# Altium PCB 2-quilter-output.PcbDoc (part 18 of 26) (continued)
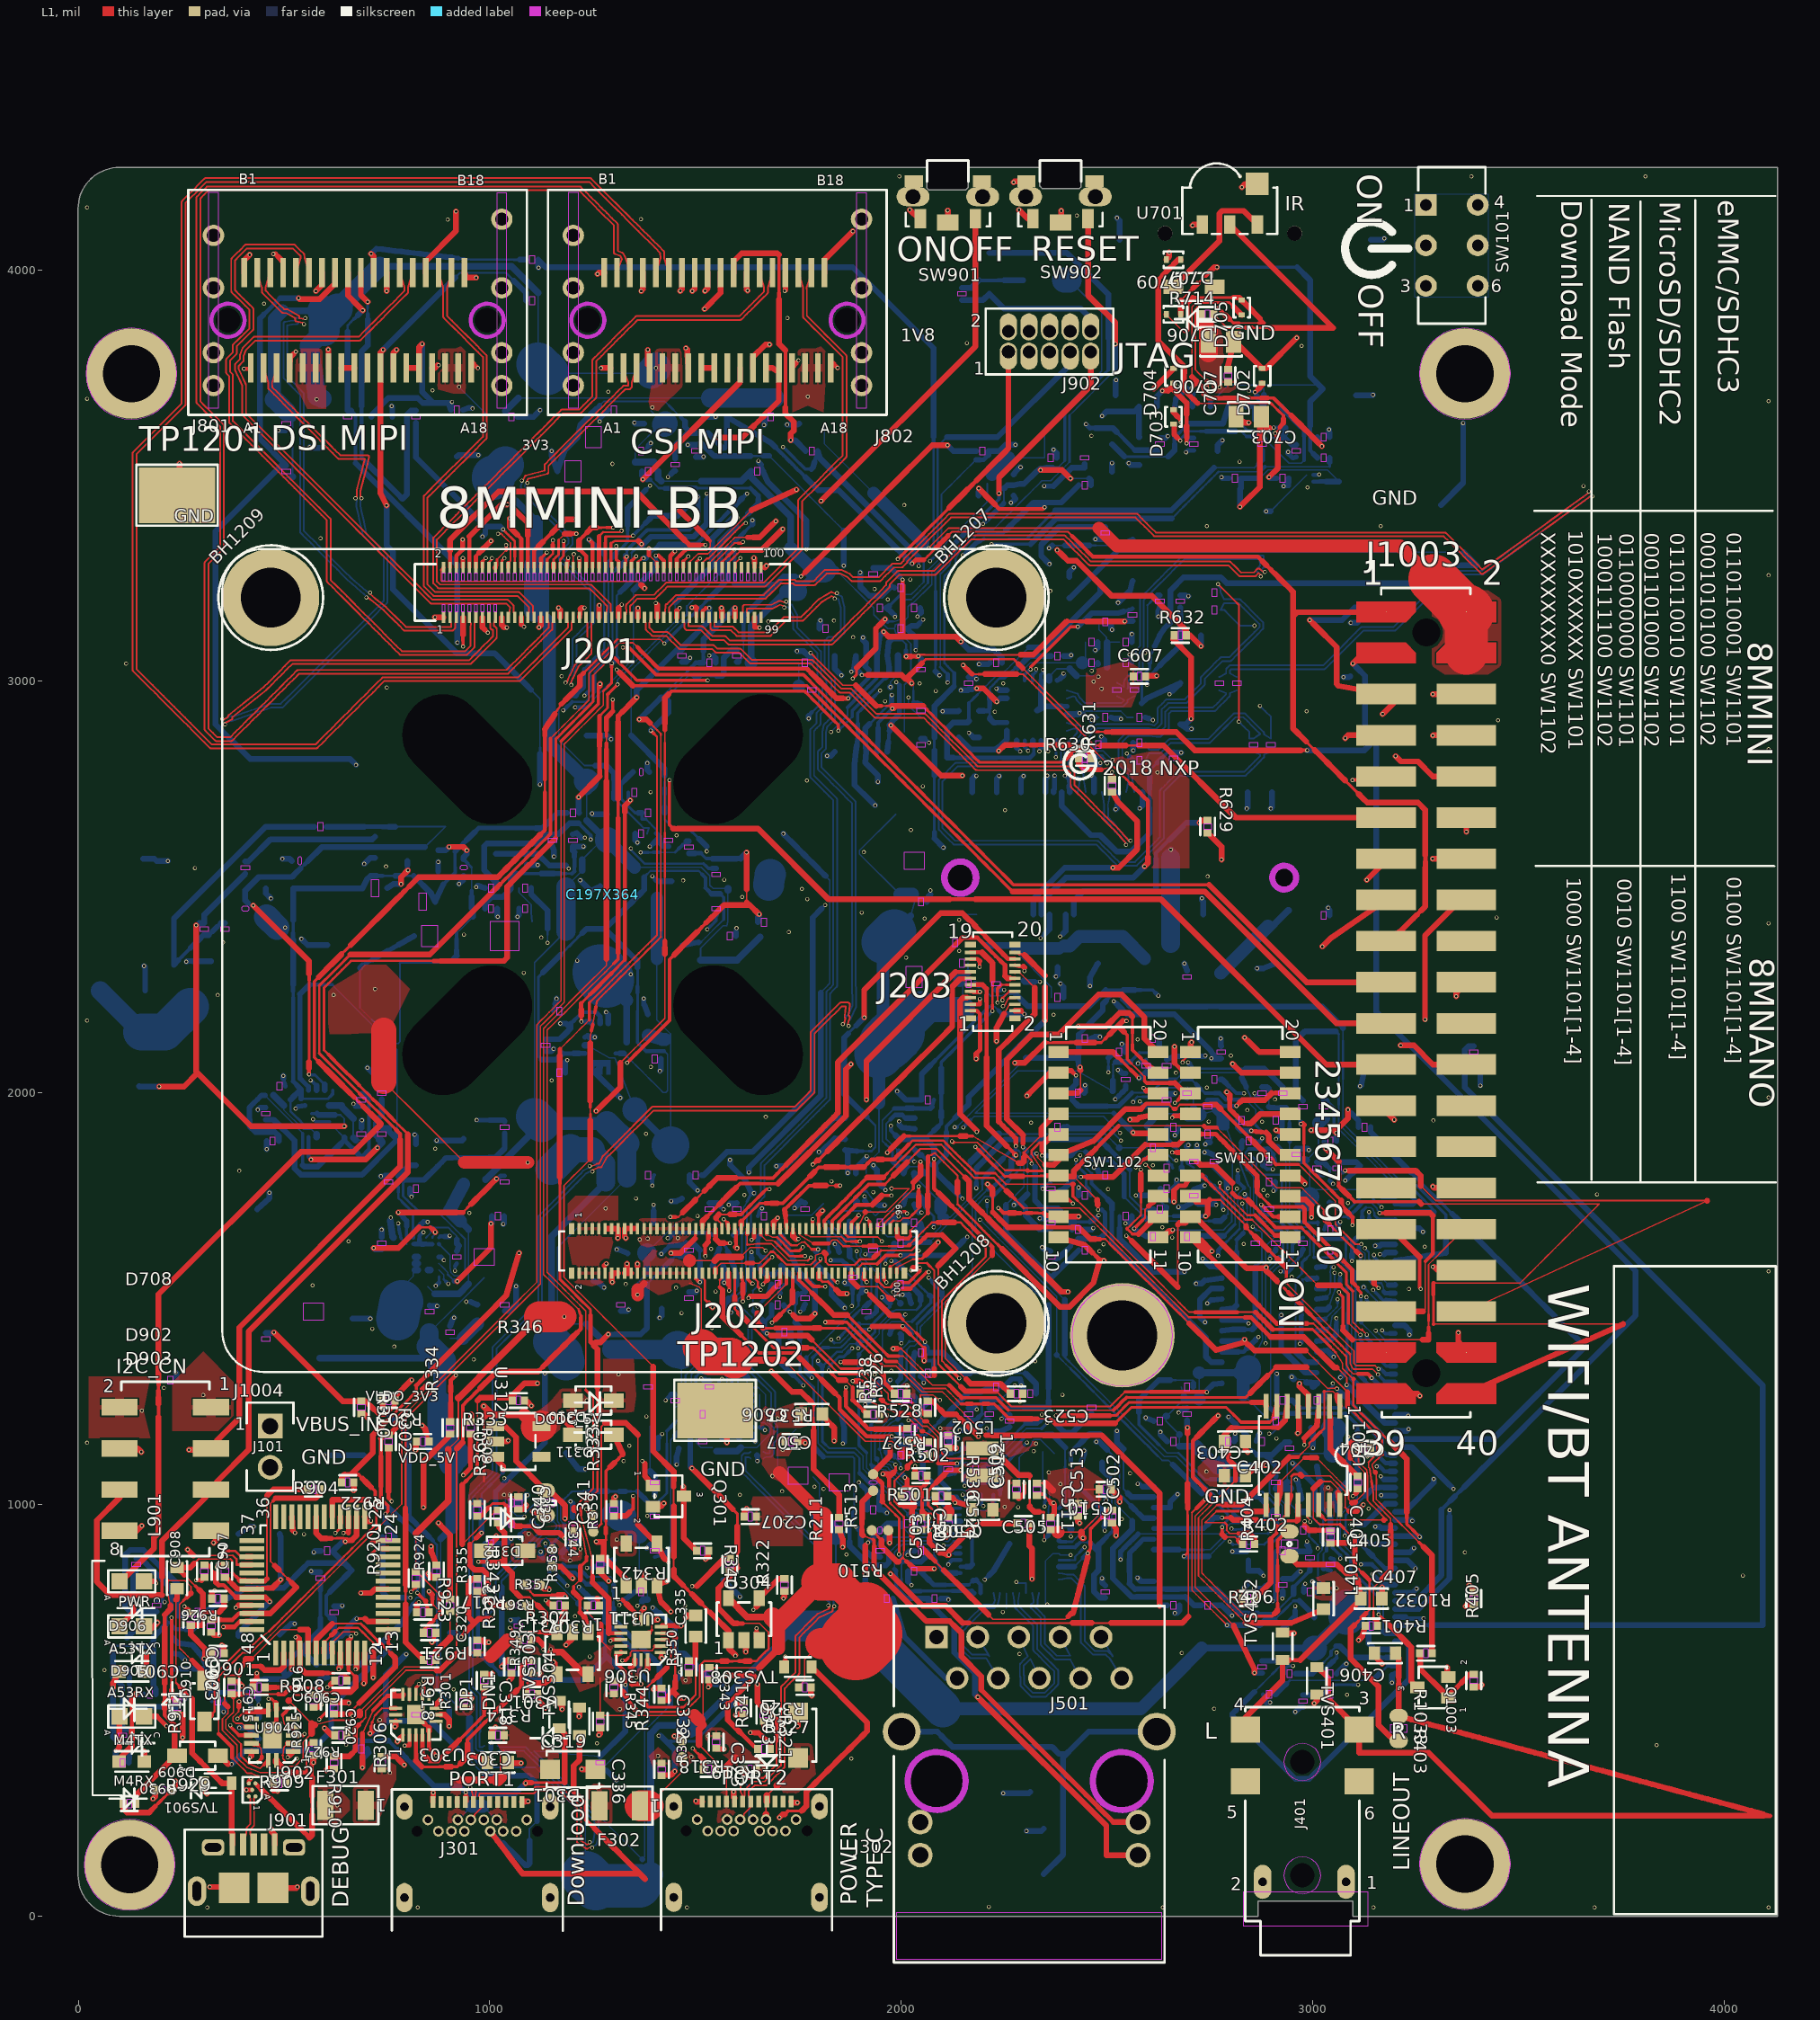
[diagram p0: L1 view]
## Nets (pads, with @x,y where several pads share a name; then routed paths per layer and width w, separated by ;. In a path a pad name is that pad's centre, name@x,y a point inside that pad or via, vN(x,y) a via of type N, cw(c..) or ccw(c..) an arc to the next point about the centre after c; other vN are vias at no path point) (continued)
SAI1_MCLK: J202.98 J1001.4 | length 1494.1
  L1 w3.5: 1973.72,1576.89 1986.02,1584.27 1998.32,1591.65 2010.61,1599.03 2022.91,1606.41
  L1 w5.87: 2022.91,1606.41 2032.21,1606.41 v1(2042.55,1616.75)
  L1 w8.94: J202.98@1973.71,1561.94 1973.72,1576.89
  L3 w3.5: 2342.88,1642.32 2357.82,1642.32 2372.77,1642.32 2387.71,1642.32 2402.66,1642.32 2417.6,1642.32 2432.55,1642.32 2447.49,1642.32 2462.44,1642.32 2477.38,1642.32 2492.33,1642.32 2507.27,1642.32 2522.22,1642.32 2537.16,1642.32 2552.11,1642.32 ; 2765.09,1711.42 2773.1,1719.42 2781.1,1727.42 ; 2786.51,1727.42 2796.99,1716.94 2807.47,1706.47 ; 2838.9,1675.03 2849.38,1664.56
  L3 w3.83: 2552.11,1642.32 2567.05,1642.32 ; 2807.47,1706.47 2817.95,1695.99 2828.42,1685.51 ; 2849.38,1664.56 2859.86,1654.08
  L3 w4.85: v1(2042.55,1616.75) 2046.32,1612.97 2062.04,1612.97 2077.76,1612.97 2093.48,1612.97 2109.2,1612.97 2124.91,1612.97 2140.63,1612.97 2156.35,1612.97 2172.07,1612.97 2187.78,1612.97 2203.5,1612.97 2219.22,1612.97 2234.94,1612.97 2250.65,1612.97 2266.37,1612.97 2282.09,1612.97 2297.81,1612.97 2313.53,1612.97 2323.31,1622.75 ; 2333.09,1632.54 2342.88,1642.32 ; 2781.1,1727.42 2786.51,1727.42 ; 2828.42,1685.51 2838.9,1675.03
  L3 w5.87: 2323.31,1622.75 2333.09,1632.54
  L3 w7.92: 2625.87,1686.19 2641.31,1686.19 2656.76,1686.19 2672.2,1686.19 2687.65,1686.19 2703.09,1686.19 2718.54,1686.19 2733.98,1686.19 ; 2922.72,1591.21 2938.49,1591.21 2954.26,1591.21 2970.03,1591.21 2985.8,1591.21 3001.57,1591.21 3017.34,1591.21 3033.11,1591.21 3048.88,1591.21 3064.65,1591.21 3080.42,1591.21 v1(3096.19,1591.21)
  L3 w9.96: 2733.98,1686.19 2749.43,1686.19 ; 2901.77,1612.17 2912.25,1601.69 2922.72,1591.21
  L3 w10.99: 2859.86,1654.08 2870.33,1643.6 2880.81,1633.12 2891.29,1622.65 2901.77,1612.17
  L3 w13.03: 2567.05,1642.32 2582,1642.32 2592.97,1653.29 ; 2614.9,1675.22 2625.87,1686.19
  L3 w14.05: 2592.97,1653.29 2603.93,1664.26 2614.9,1675.22 ; 2749.44,1686.19 2765.09,1701.85 2765.09,1711.42
  L8 w3.83: 3130.15,1721.18 3142.37,1721.18 3147.17,1716.39 3150.85,1707.98
  L8 w5.87: 3150.85,1702.04 3150.85,1707.98
  L8 w6.9: 3150.85,1702.04 3157.07,1695.82
  L8 w7.92: v1(3096.19,1591.21) 3096.19,1599.29 ; 3120.72,1698.62 3120.72,1711.76 3130.15,1721.18 ; 3157.07,1695.82 3163.29,1689.61
  L8 w10.99: 3096.19,1607.37 3096.19,1621.02 3096.19,1634.67 ; 3120.72,1659.2 3120.72,1672.34 3120.72,1685.48
  L8 w12.01: 3120.72,1685.48 3120.72,1698.62
  L8 w13.03: 3096.19,1634.67 3104.37,1642.85 ; 3112.54,1651.03 3120.72,1659.2
  L8 w14.05: 3096.19,1599.29 3096.19,1607.37 ; 3104.37,1642.85 3112.54,1651.03 ; 3163.29,1689.61 3178.74,1689.61 J1001.4@3200.73,1690.44
SAI1_RXC: J202.76 J1001.18 | length 1571.7
  L1 w4.85: 1808.67,1540.87 1813.21,1540.87 1822.45,1540.87
  L1 w6.9: J202.76@1800.49,1549.05 1808.67,1540.87 ; 1822.45,1540.87 1832.11,1531.22 1841.76,1521.56
  L1 w14.05: J202.76@1800.49,1549.05 J202.76@1800.48,1561.94 ; 1841.76,1521.56 1851.42,1511.91 v1(1868.11,1511.91)
  L3 w3.5: 1954.69,1526.06 1969.8,1526.06 1984.92,1526.06 2000.03,1526.06 2015.14,1526.06 2030.25,1526.06 2045.36,1526.06 2060.47,1526.06 ; 3148.88,1402.34 3159.05,1412.5 v1(3169.22,1422.67)
  L3 w4.85: 2170.09,1576 2185.01,1576 ; 2274.53,1576 2289.45,1576 ; 2597.74,1557.45 2607.9,1547.29 2618.06,1537.13 2628.22,1526.97 2638.39,1516.8 2648.55,1506.64 2658.71,1496.48 2668.88,1486.31 2679.04,1476.15 2694.8,1476.15 2710.56,1476.15 2726.32,1476.15 2742.08,1476.15 2757.84,1476.15 2773.6,1476.15 2789.37,1476.15 2805.13,1476.15 2820.89,1476.15 2836.65,1476.15 2852.41,1476.15
  L3 w5.87: 1883.43,1511.8 1898.64,1511.8 ; 2070.46,1536.05 2080.45,1546.04 ; 2100.42,1566.01 2110.41,1576 2125.34,1576 2140.26,1576 2155.18,1576 2170.09,1576 ; 2185.01,1576 2199.93,1576 2214.85,1576 2229.77,1576 2244.69,1576 2259.61,1576 2274.53,1576 ; 2289.45,1576 2298.72,1566.72 2307.99,1557.45 2323.24,1557.45 2338.49,1557.45 2353.74,1557.45 2368.99,1557.45 2384.24,1557.45 2399.49,1557.45 2414.74,1557.45 2429.99,1557.45 2445.24,1557.45 2460.49,1557.45 2475.74,1557.45 2490.99,1557.45 2506.24,1557.45 2521.49,1557.45 2536.74,1557.45 2551.99,1557.45 2567.24,1557.45 2582.49,1557.45 2597.74,1557.45
  L3 w7.92: v1(1868.11,1511.91) 1868.21,1511.8 1883.43,1511.8 ; 2080.45,1546.04 2090.43,1556.02 ; 2852.41,1476.15 2868.17,1476.15
  L3 w8.94: 3035.54,1371.83 3049.34,1371.83 3063.15,1371.83 ; 3104.57,1371.83 3118.37,1371.83 3128.54,1382 3138.71,1392.17 3148.88,1402.34
  L3 w9.96: 2060.47,1526.06 2070.46,1536.05
  L3 w10.99: 1898.64,1511.8 1907.89,1502.55 1919.54,1502.55 1931.19,1502.55 1939.02,1510.39 1946.86,1518.23
  L3 w13.03: 1946.86,1518.23 1954.69,1526.06 ; 2915.45,1476.15 2931.22,1476.15
  L3 w14.05: 2090.43,1556.02 2100.42,1566.01 ; 2868.17,1476.15 2883.93,1476.15 2899.69,1476.15 2915.45,1476.15 ; 2931.22,1476.15 3035.54,1371.83 ; 3063.15,1371.83 3076.95,1371.83 3090.76,1371.83 3104.57,1371.83
  L8 w7.92: v1(3169.22,1422.67) 3177.05,1414.84 J1001.18@3188.89,1414.84
  L8 w12.01: J1001.18@3188.89,1414.84 J1001.18@3200.73,1414.85
SAI1_RXD0: J202.78 J1001.20 R1112.1 SW1101.5 | length 1217.5
  L1 w6.9: 2874.03,1748.97 2882.79,1740.21 2891.56,1731.44
  L1 w7.92: 2891.56,1731.44 2900.33,1722.67 ; 3110.35,1526.15 3110.35,1522.32 3117.94,1514.72 v1(3117.94,1506.09)
  L1 w8.94: v1(2436.84,1795.6) 2452.52,1795.6 ; 2900.33,1722.67 2915.42,1722.67 2930.5,1722.67 2945.59,1722.67 2960.67,1722.67 2975.76,1722.67 ; 3103.56,1532.94 3110.35,1526.15
  L1 w9.96: SW1101.5@2728.62,1899.68 2740.67,1899.68 2752.73,1899.68 ; 2980.71,1685.75 2991.26,1675.2 3001.81,1664.65 3012.37,1654.09 3022.92,1643.54 3033.47,1632.99 3044.02,1622.44 3054.57,1611.89 3065.12,1601.34 ; 3075.67,1590.79 3086.23,1580.23 3096.78,1569.68 ; 3096.78,1539.73 3103.56,1532.94
  L1 w10.99: 2593.54,1873.86 2606.82,1873.86 2620.09,1873.86 2633.37,1873.86 2646.65,1873.86 2659.93,1873.86 ; 2752.73,1899.68 2764.78,1899.68 2774.82,1889.64 ; 2804.97,1859.49 2815.02,1849.44 2825.07,1839.4 ; 2865.26,1757.74 2874.03,1748.97 ; 2975.76,1722.67 2980.71,1717.72 2980.71,1707.06 2980.71,1696.41 2980.71,1685.75 ; 3096.78,1539.73 3096.78,1554.7 3096.78,1569.68
  L1 w12.01: 2774.82,1889.64 2784.87,1879.59 2794.92,1869.54 2804.97,1859.49 ; 2825.07,1839.4 2835.11,1829.35 2845.16,1819.3 2855.21,1809.25 2865.26,1799.2 2865.26,1785.38 ; 2865.26,1757.74 2865.26,1771.56 ; 3065.12,1601.34 3075.67,1590.79
  L1 w14.05: 2452.52,1795.6 2468.21,1795.6 2483.9,1795.6 2499.58,1795.6 2515.27,1795.6 ; 2515.28,1795.61 2593.54,1873.86 ; 2659.93,1873.86 2673.2,1873.86 SW1101.5@2698.11,1898.77 ; SW1101.5@2698.11,1898.78 SW1101.5@2703.63,1898.79 SW1101.5@2728.62,1899.68 ; 2865.26,1771.56 2865.26,1785.38
  L8 w3.5: 3117.94,1442.23 3129.07,1431.11 3140.2,1419.98 3151.32,1408.85 3162.45,1397.73 3173.57,1386.6 J1001.20@3184.7,1375.48
  L8 w5.87: R1112.1@2363.5,1752.1 2374.21,1756.92 2384.91,1761.73
  L8 w7.92: 3117.94,1490.29 3117.94,1498.19 v1(3117.94,1506.09)
  L8 w8.94: 2424.67,1795.6 v1(2436.84,1795.6)
  L8 w10.99: 3117.94,1442.23 3117.94,1454.25 3117.94,1466.26 3117.94,1478.28 3117.94,1490.29
  L8 w14.05: 2384.91,1761.73 2395.61,1766.55 2424.66,1795.6 ; J1001.20@3184.7,1375.47 J1001.20@3200.73,1375.48
SAI1_RXD1: J202.80 J1001.21 R1114.1 SW1101.6 | length 2340.4
  L1 w3.5: 2805.41,1756.58 2805.41,1768.66 2805.41,1780.75
  L1 w3.83: 3098.43,1517.95 3098.43,1502.88 3098.43,1487.81 3098.43,1472.74 3098.43,1457.66 3098.43,1442.59 3107.73,1433.29 3117.03,1424 3120.3,1424 3126.12,1418.18 v1(3131.94,1412.36)
  L1 w4.85: 2824.52,1744.21 2833.34,1742.11 2843.3,1739.73
  L1 w6.9: J202.80@1831.98,1561.94 1831.99,1549.01 1841.63,1539.37 v1(1845.81,1539.37) ; 2972.86,1672.68 2983.83,1661.71 ; 3049.65,1595.89 3060.62,1584.92 3071.58,1573.95 3082.55,1562.98 3082.55,1548.41 3082.55,1533.83 3090.49,1525.89 3098.43,1517.95
  L1 w8.94: v1(2659.01,1854.96) 2671.01,1854.96 ; 2815.69,1746.31 2824.52,1744.21 ; 2862.46,1720.58 2872.04,1711 2881.62,1701.42 2891.2,1691.84 2900.78,1682.26 2910.36,1672.68 2925.99,1672.68 2941.61,1672.68 2957.24,1672.68 2972.86,1672.68 ; 2983.83,1661.71 2994.8,1650.74 3005.77,1639.77 3016.74,1628.8 3027.71,1617.83 3038.68,1606.86 3049.65,1595.89
  L1 w9.96: 2852.88,1730.15 2862.46,1720.58
  L1 w10.99: 2805.41,1756.58 2811.46,1750.53 2815.68,1746.31
  L1 w13.03: 2671.01,1854.96 SW1101.6@2683.01,1854.96
  L1 w14.05: SW1101.6@2683.01,1854.96 SW1101.6@2703.63,1848.79 ; SW1101.6@2703.63,1848.79 2727.17,1825.24 2760.92,1825.24 2805.41,1780.75 ; 2843.3,1739.73 2852.88,1730.15
  L3 w3.5: 2149.15,1726.52 2162.22,1726.52 2175.28,1726.52 2188.35,1726.52 2201.41,1726.52 2214.48,1726.52
  L3 w3.83: 2082.24,1793.42 2093.39,1782.27 ; 2137.99,1737.67 2149.13,1726.53 ; 2214.48,1726.52 2224.41,1736.45
  L3 w4.85: 1854.08,1804.05 1864.71,1793.42 1880.24,1793.42 1895.78,1793.42 1911.32,1793.42 1926.86,1793.42 1942.4,1793.42 1957.93,1793.42 1973.47,1793.42 1989.01,1793.42 2004.55,1793.42 2020.09,1793.42 2035.62,1793.42 2051.16,1793.42 2066.7,1793.42 2082.24,1793.42 ; 2093.39,1782.27 2104.54,1771.12 2115.69,1759.97 2126.84,1748.82 2137.99,1737.67 ; 2224.41,1736.45 2234.34,1746.38 2244.27,1756.31 2254.2,1766.24 2264.13,1776.18 2274.07,1786.11 2284,1796.04 2293.93,1805.97 2303.86,1815.9 2318.43,1815.91 2332.99,1815.91 2347.55,1815.91 2362.11,1815.91 2376.67,1815.91 2391.23,1815.91 2405.79,1815.91 2420.35,1815.91 2434.91,1815.91 2449.47,1815.91 2460.49,1826.93 2471.52,1837.96
  L3 w8.94: v1@2656.58,1854.96 v1(2659.01,1854.96)
  L3 w9.96: 2547.92,1917.79 2563.19,1917.79 2578.47,1917.79 ; 2646.11,1865.43 v1@2656.58,1854.96
  L3 w12.01: 2541.23,1924.48 2547.92,1917.79
  L3 w13.03: 2534.55,1931.16 2541.23,1924.48
  L3 w14.05: v1(1830.7,1784.95) 1849.8,1804.05 1854.08,1804.05 ; 2471.52,1837.96 2482.55,1848.98 2493.57,1860.01 2504.6,1871.03 2504.6,1898.11 2534.55,1928.06 2534.55,1931.16 2503.97,1961.73 v1(2503.97,2049.77) ; 2578.47,1917.79 2593.75,1917.79 2604.22,1907.32 2614.7,1896.85 2625.17,1886.38 2635.64,1875.9 2646.11,1865.43
  L6 w3.5: 1792.86,1583.63 1792.86,1590.56 1792.86,1606.18
  L6 w3.83: 1782.23,1618.99 1791.93,1628.68 1801.62,1638.37 ; 1821,1657.76 1830.7,1667.45 1830.7,1682.14 1830.7,1696.83 1830.7,1711.51 1830.7,1726.2 1830.7,1740.89 1830.7,1755.57 1830.7,1770.26 v1(1830.7,1784.95)
  L6 w4.85: 1811.31,1648.07 1821,1657.76
  L6 w6.9: 1782.23,1616.8 1792.86,1606.18
  L6 w8.94: 1837.12,1539.37 v1(1845.81,1539.37)
  L6 w14.05: 1782.23,1616.8 1782.23,1618.99 ; 1792.86,1583.63 1837.12,1539.37 ; 1801.62,1638.37 1811.31,1648.07
  L8 w5.87: 2503.97,2064.01 2503.97,2074.37
  L8 w7.92: v1(2503.97,2049.77) 2503.97,2064.01 ; 2503.97,2074.37 2503.97,2084.73
  L8 w8.94: 3131.94,1403.58 v1(3131.94,1412.36)
  L8 w9.96: 3131.94,1403.58 3141.5,1394.02 3151.05,1384.46 3160.61,1374.9 3170.17,1365.35 3179.73,1355.79 J1001.21@3190.23,1355.79
  L8 w14.05: 2503.97,2084.73 2514.63,2095.38 R1114.1@2514.62,2098.89 ; J1001.21@3190.23,1355.79 J1001.21@3200.73,1355.8
SAI1_RXD2: J202.82 J1001.22 R1116.1 SW1101.7 | length 874.3
  L1 w3.5: 2853.07,1691.9 2863.75,1681.22 2874.43,1670.55 2885.11,1659.87 2895.78,1649.19 2906.46,1638.51 2917.14,1627.84 2927.82,1617.16 2938.49,1606.48 2949.17,1595.8 2959.85,1585.13 2970.53,1574.45 2981.2,1563.77 2991.88,1553.09 3002.56,1542.41 3013.18,1531.8
  L1 w3.83: 3087.28,1440.86 3096.95,1431.19 3106.62,1421.52 v1(3116.29,1411.84)
  L1 w4.85: 2741.62,1788.09 2752.31,1777.4 ; 2763,1766.72 2773.69,1756.03 2784.37,1745.34 2795.06,1734.65 2805.75,1723.96 ; 2816.44,1713.28 2827.12,1702.59 2837.81,1691.9
  L1 w5.87: 2805.75,1723.96 2816.44,1713.28 ; 2837.81,1691.9 2853.07,1691.9
  L1 w7.92: 2730.93,1798.78 2741.62,1788.09 ; 2752.31,1777.4 2763,1766.72 ; 3066.64,1531.8 3076.99,1521.45 3087.28,1511.16 3087.28,1497.1 3087.28,1483.04 3087.28,1468.98 3087.28,1454.92 3087.28,1440.86
  L1 w10.99: 2669.25,1768.43 2675.2,1774.38 2690.07,1774.38
  L1 w12.01: 2663.48,1762.66 2669.25,1768.43 ; 2690.07,1774.38 SW1101.7@2696.8,1786.49
  L1 w14.05: v1(2663.48,1735.49) 2663.48,1747.21 2663.48,1762.66 ; SW1101.7@2696.8,1786.49 SW1101.7@2703.63,1798.79 2730.93,1798.78 ; 3013.18,1531.8 3066.64,1531.8
  L8 w7.92: R1116.1@2630.75,1758.92 2638.56,1751.11 ; 2646.37,1743.3 2654.19,1735.49 v1(2663.48,1735.49) ; v1(3116.29,1411.84) 3116.29,1399.11 3126.79,1388.61 3137.29,1378.11 3147.79,1367.61 3158.29,1357.11 3168.8,1346.61 J1001.22@3179.3,1336.11
  L8 w8.94: J1001.22@3179.3,1336.11 J1001.22@3190.01,1336.11
  L8 w9.96: 2638.56,1751.11 2646.37,1743.3
  L8 w14.05: R1116.1@2630.75,1758.92 R1116.1@2630.74,1766.86 ; J1001.22@3190.01,1336.11 J1001.22@3200.73,1336.11
SAI1_RXD3: J202.86 J1001.23 R1118.1 SW1101.8 | length 2243.6
  L1 w3.5: 1894.42,1528.8 1904.06,1528.8 1917.26,1528.8 1930.46,1528.8 1943.66,1528.8 ; 1984.16,1504.43 1992.17,1512.44 ; 1992.17,1513.18 2003.22,1524.24 ; 2936.26,1537.34 2947.24,1526.37 2958.22,1515.39 2969.19,1504.41 2980.17,1493.44 2991.15,1482.46 3002.12,1471.49 3013.1,1460.51 3024.07,1449.53 3035.05,1438.56 3046.03,1427.58 3057,1416.61 3067.98,1405.63 3078.95,1394.65 3089.93,1383.68 3100.91,1372.7 3100.91,1357.32 3100.91,1342.09 3105.98,1337.01
  L1 w3.83: 1978.76,1499.03 1984.16,1504.43 ; 2786.31,1729.07 2796.79,1718.59 2807.27,1708.11 2817.76,1697.62 ; 2828.24,1687.14 2838.72,1676.66 ; 3105.98,1337.01 3121.32,1337.01 3136.81,1337.01 3152.3,1337.01 v1(3160.39,1328.92)
  L1 w4.85: 1943.66,1528.8 1954.47,1517.99 1965.27,1507.18 ; 1992.17,1512.44 1992.17,1513.18 ; 2749.99,1739.55 2762.91,1739.55 2775.82,1739.55 2786.31,1729.07 ; 2817.76,1697.62 2828.24,1687.14
  L1 w6.9: 1965.27,1507.18 1970.68,1501.78 ; 2838.87,1672.45 2849.7,1661.63 ; 2892.98,1618.34 2903.8,1607.52 2914.62,1596.7
  L1 w7.92: 2022.45,1524.24 2032.49,1534.27 2042.52,1544.31 2052.55,1554.34 v1@2062.59,1564.37 ; 2936.26,1537.34 2936.26,1549.91 2936.26,1562.48 2936.26,1575.06
  L1 w8.94: v1@2062.59,1564.37 v1(2067.41,1564.37) ; 2849.7,1661.63 2860.52,1650.81
  L1 w10.99: 2003.22,1524.24 2012.84,1524.24 2022.45,1524.24
  L1 w13.03: 2925.44,1585.88 2936.26,1575.06
  L1 w14.05: J202.86@1879.22,1561.94 1879.23,1543.98 1894.42,1528.8 ; 1970.69,1501.78 1973.43,1499.03 1978.76,1499.03 ; SW1101.8@2703.63,1748.79 2717.02,1735.39 2745.83,1735.39 ; v1(2740.45,1700.53) 2745.83,1705.91 2745.83,1735.39 ; 2749.99,1739.55 2745.83,1735.39 ; 2838.72,1676.66 2838.72,1672.59 2838.87,1672.45 ; 2860.52,1650.81 2871.34,1639.98 2882.16,1629.16 2892.98,1618.34 ; 2914.62,1596.7 2925.44,1585.88
  L6 w4.85: 2060.26,1467.91 2055.66,1472.51 2055.66,1486.31 2055.66,1500.1 2055.66,1513.89 2055.66,1527.69 2055.66,1541.48 2055.66,1555.27 2064.76,1564.37 v1(2067.41,1564.37)
  L6 w14.05: 2060.27,1467.91 2129.76,1537.4 2129.76,1750.63 2141.09,1761.96 2176.45,1761.96 v1(2182.91,1768.42)
  L8 w3.83: 2631.73,1700.53 2647.26,1700.53 2662.79,1700.53
  L8 w4.85: 2555.86,1813.37 2555.86,1800.36 2555.86,1787.35 2555.86,1774.34 2555.86,1761.33 2555.86,1748.32 2566.29,1737.89 2576.71,1727.47 2587.13,1717.05 2600.64,1717.05 ; 2621.4,1700.53 2631.73,1700.53
  L8 w7.92: v1(3160.39,1328.92) 3166.36,1328.92
  L8 w8.94: 2183.31,1780.89 2183.31,1792.97 2183.31,1805.05 ; 3166.36,1328.92 3172.62,1322.67
  L8 w9.96: R1118.1@2614.15,1707.78 2621.4,1700.53 ; 2662.79,1700.53 2678.32,1700.53 2693.85,1700.53 2709.39,1700.53 2724.92,1700.53 v1@2740.45,1700.53 ; 3172.62,1322.67 J1001.23@3178.87,1316.42
  L8 w10.99: J1001.23@3178.87,1316.42 J1001.23@3189.8,1316.42
  L8 w12.01: v1(2182.91,1768.42) 2183.31,1768.81 2183.31,1780.89 ; 2503.54,1865.69 2514.01,1855.23 2524.47,1844.77 2534.94,1834.3 2545.4,1823.84 2555.86,1813.37
  L8 w14.05: 2183.31,1805.05 2183.31,1817.13 2252.8,1886.63 ; 2252.81,1886.62 2482.62,1886.62 2493.08,1876.16 2503.54,1865.69 ; 2600.64,1717.05 R1118.1@2614.16,1717.05 R1118.1@2614.15,1707.78 ; J1001.23@3189.8,1316.42 J1001.23@3200.73,1316.43
SAI1_RXD4: J202.88 J1001.24 R1102.1 SW1101.9 | length 2135.2
  L1 w3.5: 2672.79,1527.64 2672.79,1542.87 2672.79,1558.09 2672.79,1573.32 2672.79,1588.55 2672.79,1603.77 2672.79,1619 2672.79,1634.23 2672.79,1649.45 2672.79,1664.68 2672.79,1679.91 ; 3091.28,1365.1 3091.28,1353.78 3091.28,1342.46 3095.31,1335.43 3099.34,1328.41 3114.9,1328.41 3130.47,1328.41 3146.03,1328.41 3152.55,1321.89 v1(3159.06,1315.38)
  L1 w4.85: J202.88@1894.98,1573.37 1905.94,1584.33
  L1 w5.87: J202.88@1894.97,1561.94 J202.88@1894.98,1573.37 ; 1905.94,1584.33 1918.07,1584.33 1930.21,1584.33 1942.34,1584.33 ; 2922.34,1534.04 2930.73,1525.66 ; 3005.65,1450.73 3016.36,1440.03 3027.06,1429.32 3037.76,1418.62 3048.47,1407.91 3059.17,1397.21 3069.88,1386.51 3080.58,1375.8 3091.28,1365.1
  L1 w6.9: 2930.73,1525.66 2941.43,1514.95
  L1 w7.92: 1962.85,1604.83 1974.76,1604.83 1986.67,1604.83 ; v1(2547.63,1652.78) 2553.95,1646.46 2560.27,1640.15 ; 2994.95,1461.43 3005.65,1450.73
  L1 w8.94: 1942.34,1584.33 1952.59,1594.58 1962.85,1604.83 ; 1986.67,1604.83 v1@1998.58,1604.83
  L1 w9.96: 2913.96,1542.42 2922.34,1534.04
  L1 w10.99: 2941.43,1514.95 2952.13,1504.25 2962.84,1493.54 2973.54,1482.84 2984.25,1472.14 2994.95,1461.43
  L1 w14.05: 2560.27,1640.15 2672.78,1527.64 ; 2672.79,1679.91 2676.66,1683.78 2691.12,1683.78 SW1101.9@2703.63,1698.79 2716.39,1697.25 2840.05,1573.59 v1@2884.09,1573.59 ; v1(2887.43,1575.38) 2885.88,1575.38 v1@2884.09,1573.59 ; 2913.96,1542.42 2905.57,1550.81 2897.19,1559.19 2888.57,1566.66 v1@2884.09,1573.59
  L3 w5.87: 2301.72,1649.72 2317.39,1649.72 2333.06,1649.72
  L3 w7.92: v1(2160.7,1649.72) 2176.37,1649.72 2192.04,1649.72 2207.71,1649.72 2223.38,1649.72 2239.05,1649.72 2254.72,1649.72 2270.38,1649.72 2286.05,1649.72 2301.72,1649.72 ; 2346.33,1654.5 2348.06,1652.78 2363.41,1652.78 2378.76,1652.78 2394.11,1652.78 2409.46,1652.78 2424.82,1652.78 2440.17,1652.78 2455.52,1652.78 2470.87,1652.78 2486.23,1652.78 2501.58,1652.78 2516.93,1652.78 2532.28,1652.78 v1(2547.63,1652.78)
  L3 w8.94: 2333.06,1649.72 2337.84,1654.5 2346.33,1654.5
  L8 w3.5: 2840.4,1812.72 2848.47,1804.66 2856.54,1796.59 2856.54,1781.99 2856.54,1767.4 2856.54,1752.8 2856.54,1738.21 2856.54,1723.61 2856.54,1709.01 2860.12,1700.87 2863.7,1692.73 ; 2874.01,1682.41 2884.87,1676.83 2895.73,1671.25 2906.58,1665.67 ; v1(2887.43,1575.38) 2891.01,1575.38 2900.01,1584.38 2909.01,1593.38 2918.01,1602.37
  L8 w3.83: 2827.69,1865.81 2827.69,1853.23 2827.69,1840.66 2833.45,1834.9 ; 2863.7,1692.72 2874.01,1682.41
  L8 w4.85: 2027.91,1604.85 2042.57,1604.85 2057.22,1604.85 ; 2833.46,1834.89 2836.93,1825.11 ; 2921.98,1602.37 2928.29,1607.41
  L8 w5.87: 2928.29,1607.41 2928.29,1620.94 2928.29,1634.47 2928.29,1648.01 2928.29,1661.54
  L8 w6.9: 2906.58,1665.67 2915.37,1665.67 2924.16,1665.67 2928.29,1661.54 ; 2918.01,1602.37 2921.98,1602.37
  L8 w7.92: 2836.93,1825.11 2840.4,1815.33 2840.4,1812.72 ; v1(3159.06,1315.38) 3167.83,1306.62 3176.59,1297.86
  L8 w10.99: 2151.73,1640.75 v1(2160.7,1649.72) ; 3176.59,1297.86 J1001.24@3188.66,1297.29
  L8 w13.03: 2827.69,1865.81 R1102.1@2827.69,1878.38 ; J1001.24@3188.66,1297.29 J1001.24@3200.73,1296.74
  L8 w14.05: v1(1998.61,1604.85) 2013.26,1604.85 2027.91,1604.85 ; 2057.22,1604.85 2071.87,1604.85 2086.52,1604.85 2101.18,1604.85 2115.83,1604.85 2124.8,1613.83 2133.78,1622.8 2142.75,1631.78 2151.73,1640.75 ; R1102.1@2827.69,1878.38 R1102.1@2829.81,1883.07
SAI1_RXD5: J202.90 J1001.25 R1136.1 SW1101.10 | length 2361.6
  L1 w3.5: 3082.17,1339.84 3086.58,1332.22 3090.99,1324.59
  L1 w3.83: 3091,1324.58 3098.84,1316.74 3110.78,1316.74
  L1 w4.85: 2987.2,1439.31 3002.02,1439.31 3012.04,1429.29 3022.06,1419.27 3032.08,1409.25 3042.1,1399.23 3052.11,1389.21 3062.13,1379.19 3072.15,1369.18 3082.17,1359.16 3082.17,1346.65 3082.17,1339.84
  L1 w7.92: v1(1916.73,1539.89) v1@1916.73,1540.84
  L1 w9.96: 1909.37,1548.19 v1@1916.73,1540.84 ; 3110.78,1316.74 3122.72,1316.74 3134.66,1316.74 v1(3144.18,1307.23)
  L1 w10.99: 1909.37,1548.19 J202.90@1910.72,1561.94 ; 2869.02,1483.41 2880.04,1472.38 2891.07,1461.36 2902.09,1450.33 2913.12,1439.31 2927.94,1439.31 2942.75,1439.31 2957.57,1439.31 2972.39,1439.31 2987.2,1439.31
  L1 w12.01: 2747.74,1604.68 2758.77,1593.66 2769.79,1582.63
  L1 w13.03: 2736.72,1615.71 2747.74,1604.68 ; 2857.99,1494.43 2869.02,1483.41
  L1 w14.05: SW1101.10@2703.63,1648.79 2729.79,1640.93 v1(2755.54,1615.18) ; SW1101.10@2703.63,1648.79 2714.67,1637.76 2725.69,1626.73 2736.72,1615.71 ; 2769.79,1582.63 2780.82,1571.61 2791.84,1560.58 2802.87,1549.56 2813.89,1538.53 2824.92,1527.51 2835.94,1516.48 2846.97,1505.46 2857.99,1494.43
  L6 w3.5: 1898.4,1600.11 1902.42,1611.05 1906.44,1622
  L6 w3.83: 1859.15,1812.03 1859.15,1801.65 1864.84,1791.22 1870.53,1780.79 1876.22,1770.37 ; 1905.47,1834.33 1917.48,1834.33 1929.49,1834.33 1939.97,1844.82 1950.46,1855.3 1960.94,1865.78 1971.43,1876.27 1981.91,1886.75 1992.4,1897.24 2002.88,1907.72 2013.36,1918.2 2023.85,1928.69 2038.21,1928.69 ; 2124.36,1928.69 2138.72,1928.69
  L6 w4.85: 1876.22,1770.37 1884.27,1762.32
  L6 w5.87: 1884.27,1671.87 1893,1663.14 1901.74,1654.4 1910.47,1645.67 1916.15,1639.99 ; 2110,1928.69 2124.36,1928.69
  L6 w6.9: 1859.15,1812.03 1870.3,1823.18 1881.45,1834.33 1893.46,1834.33 ; 1884.27,1671.87 1884.27,1686.94 1884.27,1702.02 1884.27,1717.09 1884.27,1732.17 1884.27,1747.24 1884.27,1762.32
  L6 w7.92: 2138.72,1928.69 2145.05,1922.36 v1(2151.39,1916.03) ; 2541.66,1930.73 2552.05,1920.34
  L6 w8.94: 1916.15,1631.71 1916.15,1639.99 ; 2520.87,1973.5 v1(2520.87,1984.49) ; v1(2755.54,1615.18) v1@2755.54,1617.73
  L6 w9.96: 2552.05,1920.33 2560.33,1920.33
  L6 w10.99: 2549.98,1920.33 2552.05,1920.33 ; 2560.33,1920.33 2568.61,1920.33 ; 2627.13,1760.61 2627.13,1775.06 2627.13,1789.52 2627.13,1803.98 2627.13,1818.44 2627.13,1832.9 2627.13,1847.35
  L6 w12.01: 1906.44,1622 1912.82,1628.38 ; 2531.27,1941.12 2541.66,1930.73 ; 2568.61,1920.33 2578.36,1910.58 ; 2617.37,1871.56 2627.13,1861.81 2627.13,1847.35
  L6 w13.03: 1893.46,1834.33 1905.47,1834.33 ; v1(2531.99,1902.35) 2540.99,1911.34 2549.98,1920.33 ; 2578.36,1910.58 2588.11,1900.82
  L6 w14.05: 1898.4,1600.11 1898.4,1558.22 v1(1916.73,1539.89) ; 1912.82,1628.38 1916.15,1631.71 ; 2038.21,1928.69 2052.57,1928.69 2066.93,1928.69 2081.29,1928.69 2095.64,1928.69 2110,1928.69 ; 2520.87,1973.5 2520.87,1962.51 2520.87,1951.52 2531.27,1941.12 ; 2588.11,1900.82 2597.87,1891.07 2607.62,1881.32 2617.37,1871.56 ; 2627.13,1760.61 2627.13,1746.15 v1@2755.51,1617.77
  L8 w3.5: 2177.96,1942.58 2193.65,1942.58 2209.34,1942.58 2225.03,1942.58 2240.72,1942.58 2256.41,1942.58 2272.1,1942.58 2287.79,1942.58 2303.48,1942.58 2319.17,1942.58 2334.86,1942.58 2350.55,1942.58 2366.24,1942.58 2381.93,1942.58 2397.62,1942.58 2413.31,1942.58 2429,1942.58 2444.69,1942.58 2460.38,1942.58 2476.07,1942.58 2491.76,1942.58 2501.82,1932.52 2511.88,1922.46 2521.94,1912.41 v1(2531.99,1902.35)
  L8 w3.83: 2169.1,1933.73 2177.96,1942.58
  L8 w9.96: v1(2151.39,1916.03) 2160.25,1924.88 2169.1,1933.73
  L8 w10.99: v1(3144.18,1307.23) 3154.24,1297.17 3164.3,1287.11 3174.36,1277.05
  L8 w12.01: v1(2520.87,1984.49) 2521.34,1984.49 2529.56,1992.7 2537.77,2000.92
  L8 w13.03: 2537.77,2000.92 2545.98,2009.13 R1136.1@2545.97,2017.72
  L8 w14.05: 3174.36,1277.05 J1001.25@3200.73,1277.05